# Altium PCB UmTRXv21.PcbDoc (part 12 of 19) (continued)
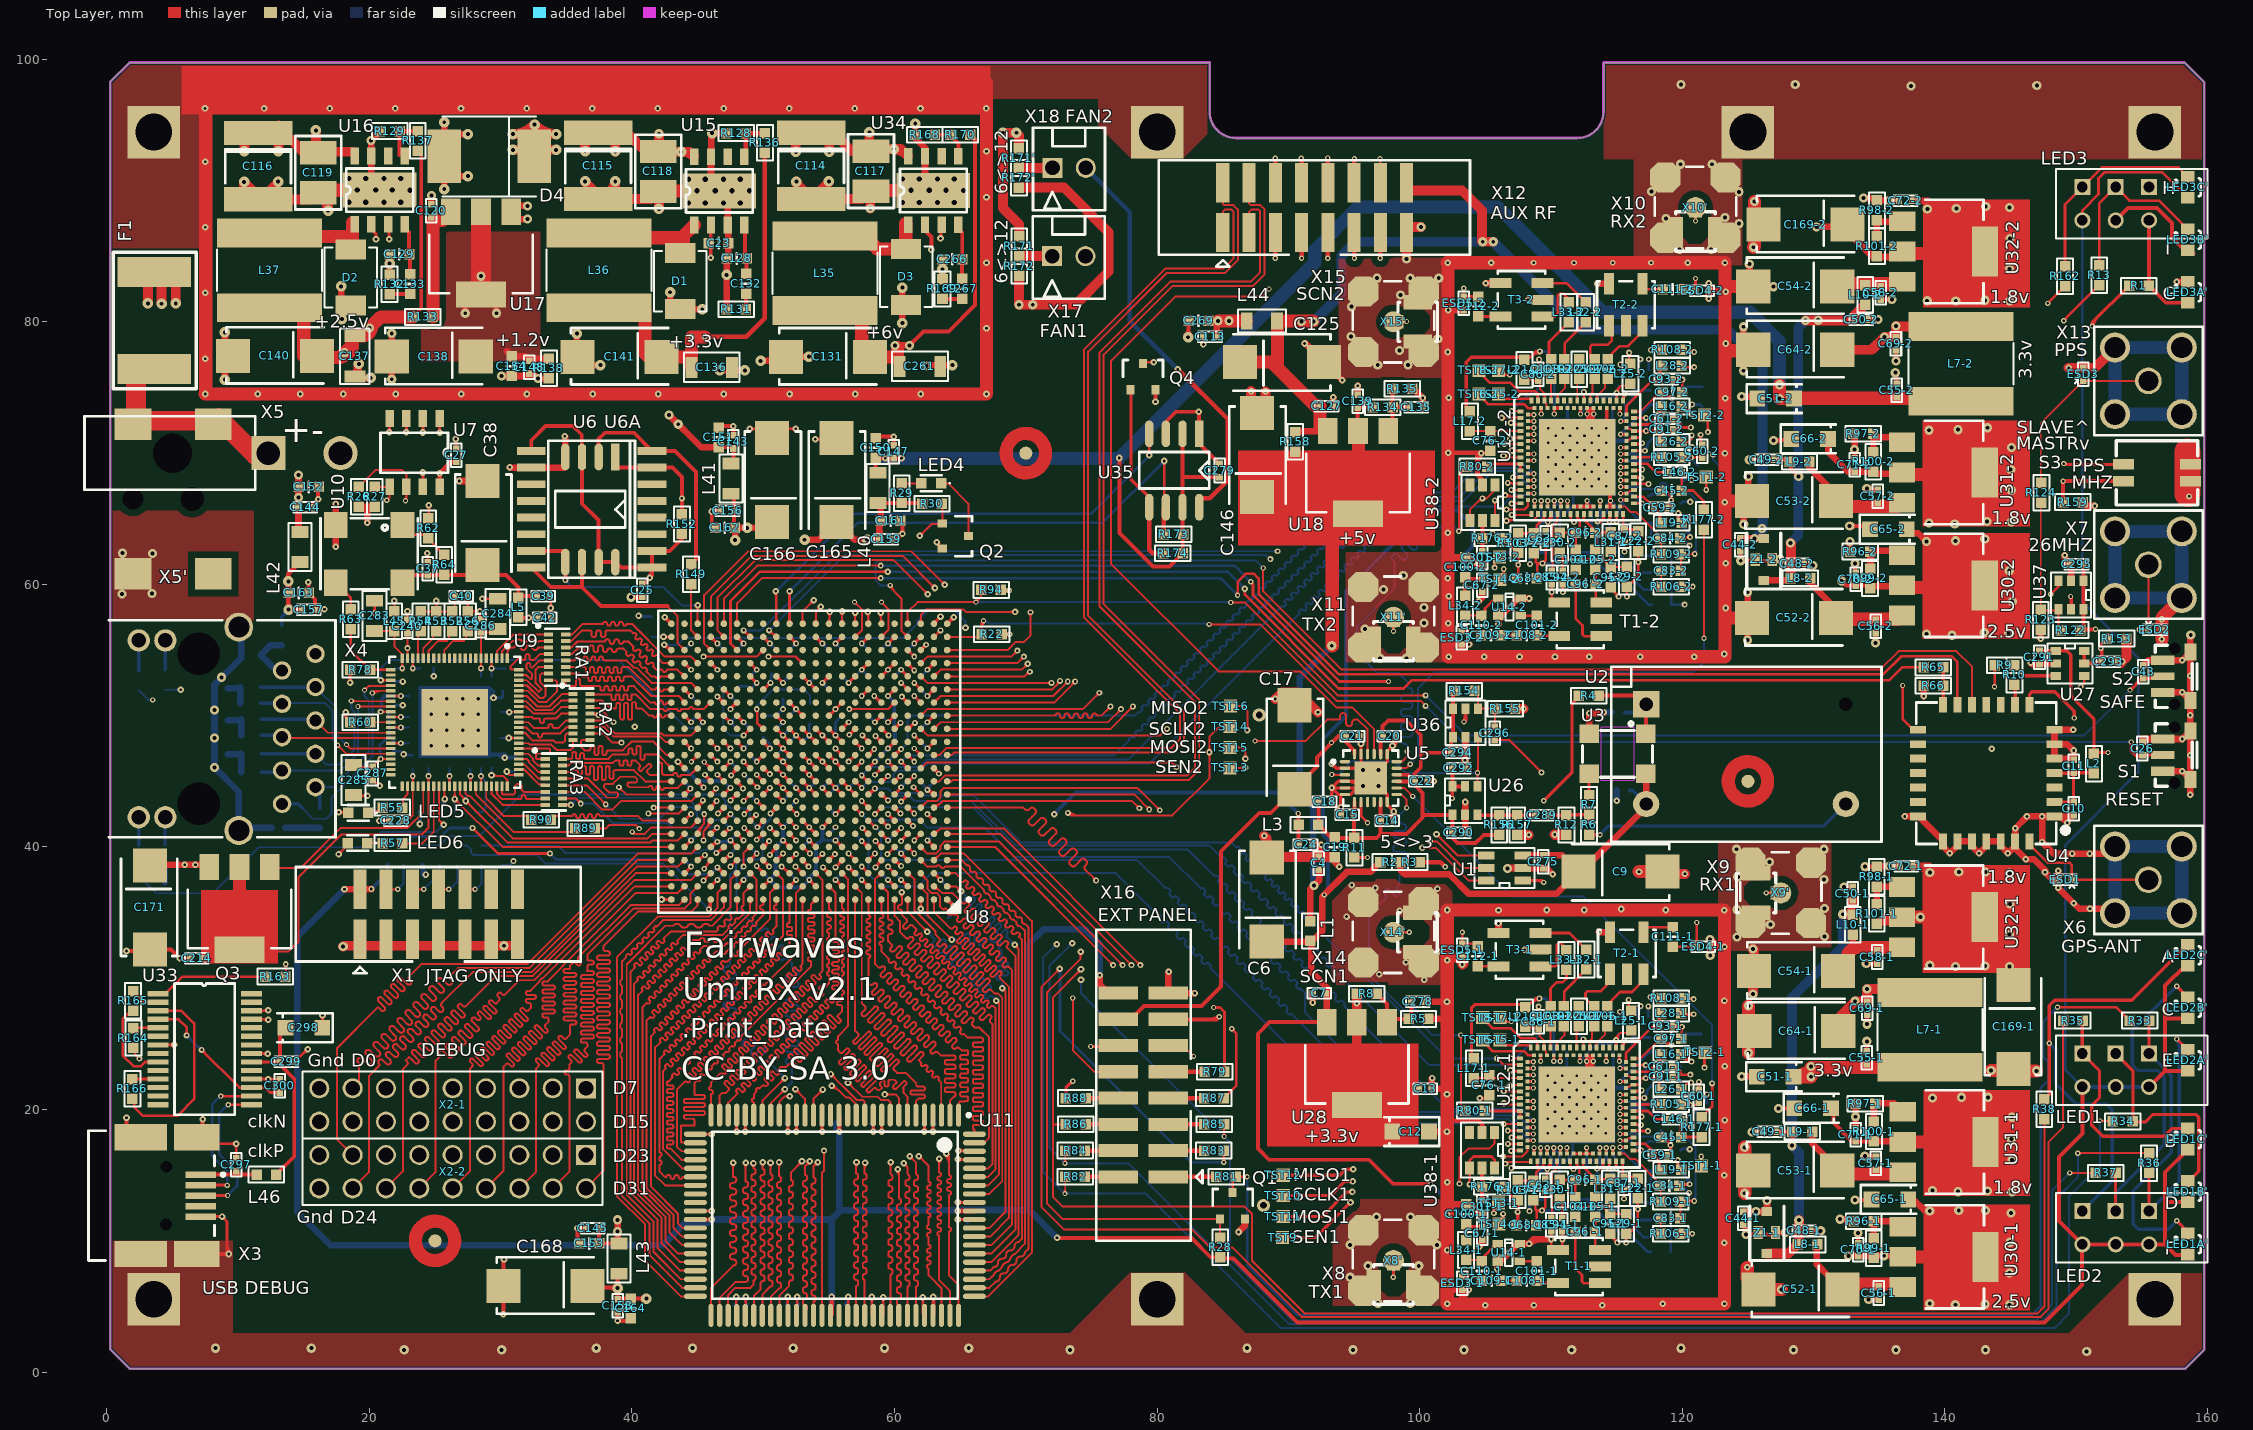
[diagram p0: Top Layer view]
## Nets (pads, with @x,y where several pads share a name; then routed paths per layer and width w, separated by ;. In a path a pad name is that pad's centre, name@x,y a point inside that pad or via, vN(x,y) a via of type N, cw(c..) or ccw(c..) an arc to the next point about the centre after c; other vN are vias at no path point) (continued)
RAM_BWN0: U8.C4 U11.93 | length 41
  Top Layer w0.15: U8.C4@61,37.825 cw(c61,37.282) 61.384,37.666 ; U8.C4@61,38 61.05,38 61.5,37.55 61.5,35.199 63.1,33.599 63.1,33.35 63.394,33.056 cw(c63.27,32.932) 63.394,32.809 63.298,32.713 ccw(c63.422,32.589) 63.298,32.466 ccw(c63.422,32.589) 63.546,32.466 63.641,32.561 cw(c63.765,32.438) 63.889,32.561 cw(c63.765,32.438) 63.889,32.314 63.793,32.218 ccw(c63.917,32.094) 63.793,31.971 ccw(c63.917,32.094) 64.041,31.971 64.479,32.409 cw(c64.603,32.286) 64.727,32.409 cw(c64.603,32.286) 64.727,32.162 64.507,31.943 64.29,31.725 ccw(c64.414,31.602) 64.29,31.478 ccw(c64.414,31.602) 64.538,31.478 64.755,31.695 64.974,31.914 cw(c65.098,31.791) 65.222,31.914 cw(c65.098,31.791) 65.222,31.667 65.002,31.448 64.788,31.233 ccw(c64.912,31.109) 64.788,30.985 ccw(c64.912,31.109) 65.035,30.985 65.25,31.2 65.469,31.419 cw(c65.593,31.296) 65.717,31.419 cw(c65.593,31.296) 65.717,31.172 65.278,30.733 ccw(c65.402,30.609) 65.278,30.486 ccw(c65.402,30.609) 65.526,30.486 65.964,30.924 cw(c66.088,30.801) 66.212,30.924 cw(c66.088,30.801) 66.212,30.677 65.773,30.238 ccw(c65.897,30.115) 65.773,29.991 ccw(c65.897,30.115) 66.02,29.991 66.24,30.21 66.459,30.43 cw(c66.583,30.306) 66.707,30.43 cw(c66.583,30.306) 66.707,30.182 66.268,29.743 ccw(c66.392,29.62) 66.268,29.496 ccw(c66.392,29.62) 66.515,29.496 66.954,29.935 cw(c67.078,29.811) 67.202,29.935 cw(c67.078,29.811) 67.202,29.687 66.763,29.248 ccw(c66.887,29.125) 66.763,29.001 ; U8.C4@61.175,38 ccw(c61.477,38) 61.263,37.787 ; U11.93@66.075,13.575 67.225,13.575 68.2,14.55 68.2,28.499 67.85,28.849 67.601,28.849 67.354,29.096 ccw(c67.23,28.973) 67.106,29.096 67.01,29.001 cw(c66.887,29.125) 66.763,29.001
RAM_BWN1: U8.A4 U11.94 | length 43.3
  Top Layer w0.15: U8.A4@60.876,35.876 cw(c60.578,35.578) 61,35.578 cw(c61.422,35.578) U8.A4@61.124,35.876 ; U8.A4@61,36 61,35.05 v2(62.5,33.55) ; v2@62.325,33.55 ccw(c61.903,33.55) 62.201,33.849 ccw(c62.5,34.147) v2@62.5,33.725 ; U11.94@66.075,14.225 67.125,14.225 67.95,15.05 67.95,28.1 ; v2(67.75,28.3) 67.95,28.1 ; v2@67.806,28.134 cw(c67.85,28) 67.95,28.1 ; v2@67.916,28.244 ccw(c68.05,28.2) 67.95,28.1
  Bottom Layer w0.15: v2@62.5,33.375 cw(c62.5,32.953) 62.799,33.251 cw(c63.097,33.55) v2@62.675,33.55 ; v2(62.5,33.55) 62.995,33.055 cw(c62.871,32.931) 62.995,32.807 62.89,32.702 ccw(c63.014,32.578) 62.89,32.455 ccw(c63.014,32.578) 63.138,32.455 63.595,32.912 cw(c63.719,32.789) 63.843,32.912 cw(c63.719,32.789) 63.843,32.665 63.385,32.207 ccw(c63.509,32.083) 63.385,31.96 ccw(c63.509,32.083) 63.632,31.96 63.861,32.189 64.09,32.418 cw(c64.214,32.294) 64.338,32.418 cw(c64.214,32.294) 64.338,32.17 63.88,31.712 ccw(c64.004,31.588) 63.88,31.465 ccw(c64.004,31.588) 64.127,31.465 64.585,31.923 cw(c64.709,31.799) 64.833,31.923 cw(c64.709,31.799) 64.833,31.675 64.375,31.217 ccw(c64.499,31.093) 64.375,30.97 ccw(c64.499,31.093) 64.622,30.97 65.08,31.428 cw(c65.204,31.304) 65.328,31.428 cw(c65.204,31.304) 65.328,31.18 65.099,30.951 64.87,30.722 ccw(c64.994,30.598) 64.87,30.475 ccw(c64.994,30.598) 65.117,30.475 65.575,30.933 cw(c65.699,30.809) 65.823,30.933 cw(c65.699,30.809) 65.823,30.685 65.365,30.227 ccw(c65.489,30.103) 65.365,29.98 ccw(c65.489,30.103) 65.612,29.98 66.07,30.438 cw(c66.194,30.314) 66.318,30.438 cw(c66.194,30.314) 66.318,30.19 66.089,29.961 65.86,29.732 ccw(c65.984,29.608) 65.86,29.485 ccw(c65.984,29.608) 66.107,29.485 66.565,29.943 cw(c66.689,29.819) 66.813,29.943 cw(c66.689,29.819) 66.813,29.695 66.355,29.237 ccw(c66.479,29.114) 66.355,28.99 ccw(c66.479,29.114) 66.602,28.99 67.06,29.448 cw(c67.184,29.324) 67.308,29.448 cw(c67.184,29.324) 67.308,29.2 66.85,28.742 ccw(c66.974,28.619) 66.85,28.495 ccw(c66.974,28.619) 67.097,28.495 67.203,28.6 cw(c67.326,28.476) 67.45,28.6 v2(67.75,28.3) ; v2@67.575,28.3 ccw(c67.153,28.3) 67.451,28.599 ccw(c67.75,28.897) v2@67.75,28.475
RAM_BWN2: U8.D5 U11.95 | length 43.7
  Top Layer w0.15: U8.D5@59.988,38.825 cw(c59.955,38.347) v1@60.371,38.587 ; U8.D5@59.998,38.975 cw(c59.978,38.685) 60.23,38.831 ; U8.D5@60,38.825 cw(c60,38.282) v1@60.384,38.666 ; U8.D5@60,39 60.05,39 v1(60.5,38.55) ; U8.D5@60.055,38.834 cw(c60.114,38.655) 60.277,38.749 ; U8.D5@60.17,39.043 ccw(c60.705,39.178) v1@60.429,38.699 ; U8.D5@60.174,38.979 ccw(c60.361,38.957) 60.267,38.793 ; U8.D5@60.175,39 ccw(c60.477,39) 60.263,38.787 ; v1@60.35,38.55 ccw(c59.988,38.55) 60.244,38.806 ccw(c60.5,39.062) v1@60.5,38.7 ; v2@60.426,36.426 cw(c60.128,36.128) 60.55,36.128 cw(c60.972,36.128) v2@60.674,36.426 ; v2(60.55,36.55) 60.5,36.5 60.55,36.45 60.55,35.7 cw(c60.425,35.7) 60.425,35.575 ccw(c60.425,35.4) 60.25,35.4 ccw(c60.425,35.4) 60.425,35.225 cw(c60.425,35.1) 60.55,35.1 60.55,34.85 60.897,34.503 cw(c60.774,34.379) 60.897,34.255 60.701,34.059 ccw(c60.825,33.935) 60.701,33.811 ccw(c60.825,33.935) 60.949,33.811 61.145,34.008 cw(c61.269,33.884) 61.392,34.008 61.61,33.79 cw(c61.504,33.684) 61.61,33.578 61.554,33.521 ccw(c61.66,33.415) 61.554,33.309 ccw(c61.66,33.415) 61.766,33.309 61.822,33.365 cw(c61.929,33.259) 62.035,33.365 cw(c61.929,33.259) 62.035,33.153 61.969,33.088 ccw(c62.075,32.982) 61.969,32.876 ccw(c62.075,32.982) 62.181,32.876 62.247,32.941 cw(c62.353,32.835) 62.459,32.941 cw(c62.353,32.835) 62.459,32.729 62.371,32.642 ccw(c62.477,32.535) 62.371,32.429 ccw(c62.477,32.535) 62.583,32.429 62.671,32.517 cw(c62.777,32.411) 62.883,32.517 cw(c62.777,32.411) 62.883,32.305 62.757,32.179 ccw(c62.863,32.073) 62.757,31.967 ccw(c62.863,32.073) 62.97,31.967 63.095,32.093 cw(c63.201,31.987) 63.307,32.093 cw(c63.201,31.987) 63.307,31.88 63.201,31.774 ccw(c63.307,31.668) 63.201,31.562 ccw(c63.307,31.668) 63.413,31.562 63.519,31.668 cw(c63.626,31.562) 63.732,31.668 cw(c63.626,31.562) 63.732,31.456 63.656,31.38 ccw(c63.762,31.274) 63.656,31.168 ccw(c63.762,31.274) 63.868,31.168 63.944,31.244 cw(c64.05,31.138) 64.156,31.244 cw(c64.05,31.138) 64.156,31.032 64.096,30.972 ccw(c64.202,30.866) 64.096,30.76 ccw(c64.202,30.866) 64.308,30.76 64.368,30.82 cw(c64.474,30.714) 64.58,30.82 cw(c64.474,30.714) 64.58,30.608 64.524,30.551 ccw(c64.63,30.445) 64.524,30.339 ccw(c64.63,30.445) 64.736,30.339 64.792,30.396 cw(c64.898,30.29) 65.004,30.396 cw(c64.898,30.29) 65.004,30.183 64.939,30.118 ccw(c65.045,30.012) 64.939,29.906 ccw(c65.045,30.012) 65.151,29.906 65.217,29.971 cw(c65.323,29.865) 65.429,29.971 cw(c65.323,29.865) 65.429,29.759 65.341,29.672 ccw(c65.447,29.566) 65.341,29.46 ccw(c65.447,29.566) 65.553,29.46 65.641,29.547 cw(c65.747,29.441) 65.853,29.547 cw(c65.747,29.441) 65.853,29.335 65.727,29.209 ccw(c65.833,29.103) 65.727,28.997 ccw(c65.833,29.103) 65.939,28.997 66.065,29.123 cw(c66.171,29.017) 66.277,29.123 cw(c66.171,29.017) 66.277,28.911 66.17,28.804 ccw(c66.276,28.698) 66.17,28.592 ccw(c66.276,28.698) 66.383,28.592 66.489,28.699 cw(c66.595,28.592) 66.701,28.699 cw(c66.595,28.592) 66.701,28.486 66.625,28.41 ccw(c66.731,28.304) 66.625,28.198 ccw(c66.731,28.304) 66.838,28.198 66.914,28.274 cw(c67.02,28.168) 67.126,28.274 cw(c67.02,28.168) 67.126,28.062 67.066,28.002 ccw(c67.172,27.896) 67.066,27.79 ccw(c67.172,27.896) 67.278,27.79 67.338,27.85 cw(c67.444,27.744) 67.55,27.85 67.7,27.7 67.7,15.45 67.125,14.875 U11.95@66.075,14.875 ; U8.D5@60.045,38.831 cw(c60.114,38.575) 60.247,38.804 ccw(c60.114,38.575) U8.D5@60.045,38.831
  Mid-Layer 2 w0.15: v1@60.35,38.55 cw(c59.988,38.55) 60.244,38.294 cw(c60.5,38.038) v1@60.5,38.4 ; v2@60.375,36.55 ccw(c59.953,36.55) 60.251,36.849 ccw(c60.55,37.147) v2@60.55,36.725 ; v1(60.5,38.55) 60,38.05 60,37.1 v2(60.55,36.55)
RAM_BWN3: U8.A5 U11.96 | length 41
  Top Layer w0.15: U8.A5@59.876,35.876 cw(c59.578,35.578) 60,35.578 cw(c60.422,35.578) U8.A5@60.124,35.876 ; U8.A5@60,36 60,34.75 60.4,34.35 60.4,33.55 60.865,33.085 ccw(c60.989,33.208) 61.113,33.085 61.141,33.112 cw(c61.264,32.989) 61.388,33.112 cw(c61.264,32.989) 61.388,32.865 61.237,32.713 61.085,32.562 ccw(c61.209,32.438) 61.085,32.314 ccw(c61.209,32.438) 61.333,32.314 61.484,32.466 61.636,32.617 cw(c61.759,32.494) 61.883,32.617 cw(c61.759,32.494) 61.883,32.37 61.732,32.218 61.58,32.067 ccw(c61.704,31.943) 61.58,31.82 ccw(c61.704,31.943) 61.828,31.82 62.13,32.122 cw(c62.254,31.999) 62.378,32.122 cw(c62.254,31.999) 62.378,31.875 62.075,31.572 ccw(c62.199,31.448) 62.075,31.325 ccw(c62.199,31.448) 62.323,31.325 62.474,31.476 62.625,31.627 cw(c62.749,31.504) 62.873,31.627 cw(c62.749,31.504) 62.873,31.38 62.721,31.229 62.57,31.077 ccw(c62.694,30.953) 62.57,30.83 ccw(c62.694,30.953) 62.818,30.83 62.969,30.981 63.12,31.132 cw(c63.244,31.009) 63.368,31.132 cw(c63.244,31.009) 63.368,30.885 63.065,30.582 ccw(c63.189,30.458) 63.065,30.335 ccw(c63.189,30.458) 63.312,30.335 63.464,30.486 63.615,30.638 cw(c63.739,30.514) 63.863,30.638 cw(c63.739,30.514) 63.863,30.39 63.711,30.239 63.56,30.087 ccw(c63.684,29.963) 63.56,29.84 ccw(c63.684,29.963) 63.807,29.84 63.959,29.991 64.11,30.143 cw(c64.234,30.019) 64.358,30.143 ; 64.358,30.143 cw(c64.234,30.019) 64.358,29.895 64.055,29.592 ccw(c64.179,29.468) 64.055,29.345 ccw(c64.179,29.468) 64.302,29.345 64.605,29.648 cw(c64.729,29.524) 64.853,29.648 cw(c64.729,29.524) 64.853,29.4 64.701,29.249 64.55,29.097 ccw(c64.674,28.973) 64.55,28.85 ccw(c64.674,28.973) 64.797,28.85 64.949,29.001 65.1,29.153 cw(c65.224,29.029) 65.348,29.153 cw(c65.224,29.029) 65.348,28.905 65.196,28.754 65.045,28.602 ccw(c65.169,28.478) 65.045,28.355 ccw(c65.169,28.478) 65.292,28.355 65.595,28.658 cw(c65.719,28.534) 65.843,28.658 cw(c65.719,28.534) 65.843,28.41 65.691,28.259 65.54,28.107 ccw(c65.664,27.983) 65.54,27.86 ccw(c65.664,27.983) 65.787,27.86 65.939,28.011 66.09,28.163 cw(c66.214,28.039) 66.338,28.163 cw(c66.214,28.039) 66.338,27.915 66.186,27.764 66.035,27.612 ccw(c66.159,27.488) 66.035,27.365 ccw(c66.159,27.488) 66.282,27.365 66.585,27.668 cw(c66.709,27.544) 66.833,27.668 cw(c66.709,27.544) 66.833,27.42 66.53,27.117 ccw(c66.654,26.994) 66.53,26.87 ccw(c66.654,26.994) 66.777,26.87 66.929,27.021 67.08,27.173 cw(c67.204,27.049) 67.328,27.173 cw(c67.204,27.049) 67.328,26.925 67.3,26.897 ccw(c67.424,26.774) 67.3,26.65 67.45,26.5 67.45,15.85 67.125,15.525 U11.96@66.075,15.525
RAM_CENN: U8.C3 U11.87 | length 41.3
  Top Layer w0.15: U8.C3@61.975,37.975 62.5,37.45 62.5,36.804 62.75,36.554 62.75,36.55 62.8,36.5 63.196,36.5 63.45,36.246 63.45,35.5 63.678,35.272 ccw(c63.731,35.325) 63.784,35.272 63.819,35.307 cw(c63.872,35.254) 63.926,35.307 64.032,35.201 cw(c63.979,35.148) 64.032,35.095 63.996,35.06 ccw(c64.049,35.007) 63.996,34.954 64.1,34.85 64.7,34.85 64.801,34.749 cw(c64.712,34.661) 64.801,34.573 ccw(c64.924,34.449) 64.801,34.325 ccw(c64.924,34.449) 65.048,34.325 65.136,34.414 65.225,34.502 cw(c65.349,34.378) 65.472,34.502 cw(c65.349,34.378) 65.472,34.254 65.384,34.166 65.296,34.078 ccw(c65.419,33.954) 65.296,33.83 ccw(c65.419,33.954) 65.543,33.83 65.631,33.919 65.72,34.007 cw(c65.844,33.883) 65.967,34.007 cw(c65.844,33.883) 65.967,33.759 65.879,33.671 65.791,33.583 ccw(c65.914,33.459) 65.791,33.335 ccw(c65.914,33.459) 66.038,33.335 66.126,33.424 66.215,33.512 cw(c66.339,33.388) 66.462,33.512 cw(c66.339,33.388) 66.462,33.265 66.374,33.176 66.285,33.088 ccw(c66.409,32.964) 66.285,32.84 ccw(c66.409,32.964) 66.533,32.84 66.621,32.929 66.71,33.017 cw(c66.833,32.893) 66.957,33.017 cw(c66.833,32.893) 66.957,32.77 66.78,32.593 ccw(c66.904,32.469) 66.78,32.345 ccw(c66.904,32.469) 67.028,32.345 67.116,32.434 67.205,32.522 cw(c67.328,32.398) 67.452,32.522 cw(c67.328,32.398) 67.452,32.275 67.364,32.186 67.275,32.098 ccw(c67.399,31.974) 67.275,31.85 ccw(c67.399,31.974) 67.523,31.85 67.611,31.939 67.7,32.027 cw(c67.823,31.903) 67.947,32.027 cw(c67.823,31.903) 67.947,31.78 67.859,31.691 67.77,31.603 ccw(c67.894,31.479) 67.77,31.355 ccw(c67.894,31.479) 68.018,31.355 68.106,31.444 68.195,31.532 cw(c68.318,31.408) 68.442,31.532 cw(c68.318,31.408) 68.442,31.285 68.354,31.196 68.265,31.108 ccw(c68.389,30.984) 68.265,30.86 ccw(c68.389,30.984) 68.513,30.86 cw(c68.601,30.772) 68.69,30.86 68.95,30.6 68.95,11.25 67.375,9.675 U11.87@66.075,9.675 ; U8.C3@62,37.825 cw(c62,37.523) 62.213,37.737 ; U8.C3@62.175,38 ccw(c62.718,38) 62.334,37.616
RAM_CLK: U8.B3 U11.89 | length 42.8
  Top Layer w0.15: U8.B3@61.975,36.975 62.5,36.45 62.5,34.8 v2(64.35,32.95) ; v2@64.175,32.95 ccw(c63.753,32.95) 64.051,33.249 ccw(c64.35,33.547) v2@64.35,33.125 ; U11.89@66.075,10.975 67.225,10.975 68.45,12.2 68.45,29 ; v2(68.2,29.25) 68.45,29 ; v2@68.223,29.077 cw(c68.259,28.809) 68.45,29 ; v2@68.373,29.227 ccw(c68.641,29.191) 68.45,29
  Bottom Layer w0.15: v2(64.35,32.95) 65,32.95 cw(c65,32.925) 65.025,32.925 65.025,32.658 ccw(c65.2,32.658) 65.2,32.483 ccw(c65.2,32.658) 65.375,32.658 65.375,33.242 cw(c65.55,33.242) 65.55,33.417 cw(c65.55,33.242) 65.725,33.242 65.725,32.658 ccw(c65.9,32.658) 65.9,32.483 ccw(c65.9,32.658) 66.075,32.658 66.075,33.242 cw(c66.25,33.242) 66.25,33.417 cw(c66.25,33.242) 66.425,33.242 66.425,32.658 ccw(c66.6,32.658) 66.6,32.483 ccw(c66.6,32.658) 66.775,32.658 66.775,32.775 cw(c66.95,32.775) 66.95,32.95 67.3,32.95 67.458,32.792 ccw(c67.581,32.916) 67.705,32.792 67.788,32.875 cw(c67.911,32.751) 68.035,32.875 cw(c67.911,32.751) 68.035,32.628 67.953,32.545 ccw(c68.076,32.421) 67.953,32.297 68.2,32.05 68.2,31.8 cw(c68.025,31.8) 68.025,31.625 67.908,31.625 ccw(c67.908,31.45) 67.733,31.45 ccw(c67.908,31.45) 67.908,31.275 68.492,31.275 cw(c68.492,31.1) 68.667,31.1 cw(c68.492,31.1) 68.492,30.925 67.908,30.925 ccw(c67.908,30.75) 67.733,30.75 ccw(c67.908,30.75) 67.908,30.575 68.492,30.575 cw(c68.492,30.4) 68.667,30.4 cw(c68.492,30.4) 68.492,30.225 67.908,30.225 ccw(c67.908,30.05) 67.733,30.05 ccw(c67.908,30.05) 67.908,29.875 68.025,29.875 cw(c68.025,29.7) 68.2,29.7 v2(68.2,29.25) ; v2@64.474,32.826 cw(c64.772,32.528) 64.772,32.95 cw(c64.772,33.372) v2@64.474,33.074 ; v2@68.076,29.374 ccw(c67.778,29.672) 68.2,29.672 ccw(c68.622,29.672) v2@68.324,29.374
RAM_D00: U8.E12 U11.63 | length 43.5
  Top Layer w0.15: U8.E12@53,39.825 cw(c53,39.282) 53.384,39.666 ; U8.E12@53,40 53.05,40 v1(53.55,39.5) v1@53.55,39.55 ; U8.E12@53.175,40 ccw(c53.477,40) 53.263,39.787 ; v1@53.4,39.5 ccw(c53.038,39.5) 53.294,39.756 ccw(c53.55,40.012) v1@53.55,39.65 ; U11.63@53.825,4.325 53.825,5.375 ccw(c53.825,5.525) 53.975,5.525 53.975,5.675 ccw(c53.825,5.675) 53.825,5.825 cw(c53.825,5.975) 53.675,5.975 53.675,6.125 cw(c53.825,6.125) 53.825,6.275 ccw(c53.825,6.425) 53.975,6.425 53.975,6.575 ccw(c53.825,6.575) 53.825,6.725 cw(c53.825,6.875) 53.675,6.875 53.675,7.025 cw(c53.825,7.025) 53.825,7.175 ccw(c53.825,7.325) 53.975,7.325 53.975,7.475 ccw(c53.825,7.475) 53.825,7.625 cw(c53.825,7.775) 53.675,7.775 53.675,7.925 cw(c53.825,7.925) 53.825,8.075 ccw(c53.825,8.225) 53.975,8.225 53.975,8.375 ccw(c53.825,8.375) 53.825,8.525 cw(c53.825,8.675) 53.675,8.675 53.675,8.825 cw(c53.825,8.825) 53.825,8.975 ccw(c53.825,9.125) 53.975,9.125 53.975,9.275 ccw(c53.825,9.275) 53.825,9.425 cw(c53.825,9.575) 53.675,9.575 53.675,9.725 cw(c53.825,9.725) 53.825,9.875 ccw(c53.825,10.025) 53.975,10.025 53.975,10.175 ccw(c53.825,10.175) 53.825,10.325 cw(c53.825,10.475) 53.675,10.475 53.675,10.625 cw(c53.825,10.625) 53.825,10.775 ccw(c53.825,10.925) 53.975,10.925 53.975,11.075 ccw(c53.825,11.075) 53.825,11.225 cw(c53.825,11.375) 53.675,11.375 53.675,11.525 cw(c53.825,11.525) 53.825,11.675 ccw(c53.825,11.825) 53.975,11.825 53.975,11.975 ccw(c53.825,11.975) 53.825,12.125 cw(c53.825,12.275) 53.675,12.275 53.675,12.425 cw(c53.825,12.425) 53.825,12.575 ccw(c53.825,12.725) 53.975,12.725 53.975,12.875 ccw(c53.825,12.875) 53.825,13.025 cw(c53.825,13.175) 53.675,13.175 53.675,13.325 cw(c53.825,13.325) 53.825,13.475 ccw(c53.825,13.625) 53.975,13.625 53.975,13.775 ccw(c53.825,13.775) 53.825,13.925 cw(c53.825,14.075) 53.675,14.075 53.675,14.225 cw(c53.825,14.225) 53.825,14.375 ccw(c53.825,14.525) 53.975,14.525 53.975,14.675 ccw(c53.825,14.675) 53.825,14.825 53.825,15.675 v2(54.15,16) ; v2@53.975,16 cw(c53.553,16) 53.851,15.701 cw(c54.15,15.403) v2@54.15,15.825
  MidLayer1 w0.15: v1@53.55,39.35 cw(c53.55,38.988) 53.806,39.244 cw(c54.062,39.5) v1@53.7,39.5 ; v1(53.55,39.5) 54.175,38.875 54.175,38.676 54.125,38.626 54.125,38.274 54.175,38.224 54.175,37.22 54.05,37.095 54.05,16.1 v2(54.15,16) ; 54.05,16.302 ccw(c54.452,16.302) v2@54.168,16.018 ; 54.05,16.664 ccw(c54.814,16.664) v2@54.274,16.124
RAM_D01: U8.D12 U11.62 | length 45.6
  Top Layer w0.15: U8.D12@52.957,38.83 cw(c52.822,38.295) v1@53.301,38.571 ; U8.D12@53,38.825 cw(c53,38.523) 53.213,38.737 ; U8.D12@53,39 53,38.95 v1(53.45,38.5) v1@53.5,38.5 ; U8.D12@53.021,38.826 cw(c53.043,38.639) 53.207,38.733 ; U8.D12@53.025,39.002 ccw(c53.315,39.022) 53.169,38.77 ; U8.D12@53.166,38.945 ccw(c53.345,38.886) 53.251,38.723 ; U11.62@53.175,4.325 53.175,4.675 ccw(c53.175,4.825) 53.325,4.825 53.325,4.975 ccw(c53.175,4.975) 53.175,5.125 cw(c53.175,5.275) 53.025,5.275 53.025,5.425 cw(c53.175,5.425) 53.175,5.575 ccw(c53.175,5.725) 53.325,5.725 53.325,5.875 ccw(c53.175,5.875) 53.175,6.025 cw(c53.175,6.175) 53.025,6.175 53.025,6.325 cw(c53.175,6.325) 53.175,6.475 ccw(c53.175,6.625) 53.325,6.625 53.325,6.775 ccw(c53.175,6.775) 53.175,6.925 cw(c53.175,7.075) 53.025,7.075 53.025,7.225 cw(c53.175,7.225) 53.175,7.375 ccw(c53.175,7.525) 53.325,7.525 53.325,7.675 ccw(c53.175,7.675) 53.175,7.825 cw(c53.175,7.975) 53.025,7.975 53.025,8.125 cw(c53.175,8.125) 53.175,8.275 ccw(c53.175,8.425) 53.325,8.425 53.325,8.575 ccw(c53.175,8.575) 53.175,8.725 cw(c53.175,8.875) 53.025,8.875 53.025,9.025 cw(c53.175,9.025) 53.175,9.175 ccw(c53.175,9.325) 53.325,9.325 53.325,9.475 ccw(c53.175,9.475) 53.175,9.625 cw(c53.175,9.775) 53.025,9.775 53.025,9.925 cw(c53.175,9.925) 53.175,10.075 ccw(c53.175,10.225) 53.325,10.225 53.325,10.375 ccw(c53.175,10.375) 53.175,10.525 cw(c53.175,10.675) 53.025,10.675 53.025,10.825 cw(c53.175,10.825) 53.175,10.975 ccw(c53.175,11.125) 53.325,11.125 53.325,11.275 ccw(c53.175,11.275) 53.175,11.425 cw(c53.175,11.575) 53.025,11.575 53.025,11.725 cw(c53.175,11.725) 53.175,11.875 ccw(c53.175,12.025) 53.325,12.025 53.325,12.175 ccw(c53.175,12.175) 53.175,12.325 cw(c53.175,12.475) 53.025,12.475 53.025,12.625 cw(c53.175,12.625) 53.175,12.775 ccw(c53.175,12.925) 53.325,12.925 53.325,13.075 ccw(c53.175,13.075) 53.175,13.225 cw(c53.175,13.375) 53.025,13.375 53.025,13.525 cw(c53.175,13.525) 53.175,13.675 ccw(c53.175,13.825) 53.325,13.825 53.325,13.975 ccw(c53.175,13.975) 53.175,14.125 cw(c53.175,14.275) 53.025,14.275 53.025,14.425 cw(c53.175,14.425) 53.175,14.575 ccw(c53.175,14.725) 53.325,14.725 53.325,14.875 ccw(c53.175,14.875) 53.175,15.025 53.175,15.674 53.375,15.874 53.375,15.925 53.5,16.05 v2(53.55,16.05) ; U8.D12@53.175,39 ccw(c53.718,39) v1@53.334,38.616 ; U8.D12@53.175,39.012 ccw(c53.653,39.045) v1@53.413,38.629 ; 53.251,15.749 ccw(c52.95,16.05) v2@53.375,16.05 ; 53.253,15.752 cw(c53.55,15.455) v2@53.55,15.875 ; v1@53.3,38.5 ccw(c52.938,38.5) 53.194,38.756 ccw(c53.45,39.012) v1@53.45,38.65 ; U8.D12@53.169,38.955 ccw(c53.425,38.886) 53.196,38.753 cw(c53.425,38.886) U8.D12@53.169,38.955
  MidLayer1 w0.15: v2@53.426,16.174 ccw(c53.128,16.472) 53.55,16.472 ccw(c53.973,16.472) v2@53.674,16.174 ; v1@53.45,38.35 cw(c53.45,37.988) 53.706,38.244 cw(c53.962,38.5) v1@53.6,38.5 ; v1(53.45,38.5) 53.925,38.025 53.925,37.324 53.55,36.949 53.55,19.425 cw(c53.55,19.275) 53.7,19.275 53.7,19.125 cw(c53.55,19.125) 53.55,18.975 ccw(c53.55,18.825) 53.4,18.825 53.4,18.675 ccw(c53.55,18.675) 53.55,18.525 cw(c53.55,18.375) 53.7,18.375 53.7,18.225 cw(c53.55,18.225) 53.55,18.075 ccw(c53.55,17.925) 53.4,17.925 53.4,17.775 ccw(c53.55,17.775) 53.55,17.625 cw(c53.55,17.475) 53.7,17.475 53.7,17.325 cw(c53.55,17.325) 53.55,17.175 ccw(c53.55,17.025) 53.4,17.025 53.4,16.875 ccw(c53.55,16.875) 53.55,16.725 v2(53.55,16.05)
RAM_D02: U8.D13 U11.59 | length 43.6
  Top Layer w0.15: U11.59@51.225,4.325 51.225,5.825 51.95,6.55 51.95,6.825 cw(c52.1,6.825) 52.1,6.975 ccw(c52.1,7.125) 52.25,7.125 52.25,7.275 ccw(c52.1,7.275) 52.1,7.425 cw(c52.1,7.575) 51.95,7.575 51.95,7.725 cw(c52.1,7.725) 52.1,7.875 ccw(c52.1,8.025) 52.25,8.025 52.25,8.175 ccw(c52.1,8.175) 52.1,8.325 cw(c52.1,8.475) 51.95,8.475 51.95,8.625 cw(c52.1,8.625) 52.1,8.775 ccw(c52.1,8.925) 52.25,8.925 52.25,9.075 ccw(c52.1,9.075) 52.1,9.225 cw(c52.1,9.375) 51.95,9.375 51.95,9.525 cw(c52.1,9.525) 52.1,9.675 ccw(c52.1,9.825) 52.25,9.825 52.25,9.975 ccw(c52.1,9.975) 52.1,10.125 cw(c52.1,10.275) 51.95,10.275 51.95,10.425 cw(c52.1,10.425) 52.1,10.575 ccw(c52.1,10.725) 52.25,10.725 52.25,10.875 ccw(c52.1,10.875) 52.1,11.025 cw(c52.1,11.175) 51.95,11.175 51.95,11.325 cw(c52.1,11.325) 52.1,11.475 ccw(c52.1,11.625) 52.25,11.625 52.25,11.775 ccw(c52.1,11.775) 52.1,11.925 cw(c52.1,12.075) 51.95,12.075 51.95,12.225 cw(c52.1,12.225) 52.1,12.375 ccw(c52.1,12.525) 52.25,12.525 52.25,12.675 ccw(c52.1,12.675) 52.1,12.825 cw(c52.1,12.975) 51.95,12.975 51.95,13.125 cw(c52.1,13.125) 52.1,13.275 ccw(c52.1,13.425) 52.25,13.425 52.25,13.575 ccw(c52.1,13.575) 52.1,13.725 cw(c52.1,13.875) 51.95,13.875 51.95,14.025 cw(c52.1,14.025) 52.1,14.175 ccw(c52.1,14.325) 52.25,14.325 52.25,14.475 ccw(c52.1,14.475) 52.1,14.625 52.1,15.2 v2(52.95,16.05) ; U8.D13@52,39 52.45,39.45 v1(52.5,39.45) v1@52.351,39.301 ; U8.D13@52,39.175 ccw(c52,39.597) 52.299,39.299 ccw(c52.597,39) U8.D13@52.175,39 ; U8.D13@52.045,39.169 ccw(c52.103,39.386) 52.216,39.191 ; U8.D13@52.159,39.159 cw(c52.5,38.817) v1@52.5,39.3 ; U8.D13@52.172,38.97 cw(c52.643,38.886) v1@52.404,39.3 ; 52.279,39.279 ccw(c52.109,39.45) v1@52.35,39.45 ; v2@52.775,16.05 cw(c52.353,16.05) 52.651,15.751 cw(c52.95,15.453) v2@52.95,15.875
  MidLayer1 w0.15: v1@52.5,39.3 cw(c52.5,38.938) 52.756,39.194 cw(c53.012,39.45) v1@52.65,39.45 ; v1(52.5,39.45) 52.95,39 v2(52.95,16.05) ; v2@52.826,16.174 ccw(c52.528,16.472) 52.95,16.472 ccw(c53.372,16.472) v2@53.074,16.174
RAM_D03: U8.C12 U11.58 | length 43.8
  Top Layer w0.15: U11.58@50.575,4.325 50.575,5.75 51.2,6.375 ccw(c51.2,6.525) 51.35,6.525 51.35,6.675 ccw(c51.2,6.675) 51.2,6.825 cw(c51.2,6.975) 51.05,6.975 51.05,7.125 cw(c51.2,7.125) 51.2,7.275 ccw(c51.2,7.425) 51.35,7.425 51.35,7.575 ccw(c51.2,7.575) 51.2,7.725 cw(c51.2,7.875) 51.05,7.875 51.05,8.025 cw(c51.2,8.025) 51.2,8.175 ccw(c51.2,8.325) 51.35,8.325 51.35,8.475 ccw(c51.2,8.475) 51.2,8.625 cw(c51.2,8.775) 51.05,8.775 51.05,8.925 cw(c51.2,8.925) 51.2,9.075 ccw(c51.2,9.225) 51.35,9.225 51.35,9.375 ccw(c51.2,9.375) 51.2,9.525 cw(c51.2,9.675) 51.05,9.675 51.05,9.825 cw(c51.2,9.825) 51.2,9.975 ccw(c51.2,10.125) 51.35,10.125 51.35,10.275 ccw(c51.2,10.275) 51.2,10.425 cw(c51.2,10.575) 51.05,10.575 51.05,10.725 cw(c51.2,10.725) 51.2,10.875 ccw(c51.2,11.025) 51.35,11.025 51.35,11.175 ccw(c51.2,11.175) 51.2,11.325 cw(c51.2,11.475) 51.05,11.475 51.05,11.625 cw(c51.2,11.625) 51.2,11.775 ccw(c51.2,11.925) 51.35,11.925 51.35,12.075 ccw(c51.2,12.075) 51.2,12.225 cw(c51.2,12.375) 51.05,12.375 51.05,12.525 cw(c51.2,12.525) 51.2,12.675 ccw(c51.2,12.825) 51.35,12.825 51.35,12.975 ccw(c51.2,12.975) 51.2,13.125 cw(c51.2,13.275) 51.05,13.275 51.05,13.425 cw(c51.2,13.425) 51.2,13.575 ccw(c51.2,13.725) 51.35,13.725 51.35,13.875 ccw(c51.2,13.875) 51.2,14.025 cw(c51.2,14.175) 51.05,14.175 51.05,14.325 cw(c51.2,14.325) 51.2,14.475 ccw(c51.2,14.625) 51.35,14.625 51.35,14.775 ccw(c51.2,14.775) 51.2,14.925 v2(51.2,16) ; v2@51.076,15.876 cw(c50.778,15.578) 51.2,15.578 cw(c51.622,15.578) v2@51.324,15.876 ; v1@52.45,38.35 cw(c52.45,37.867) 52.791,38.209 ; v1(52.45,38.5) 52.5,38.5 U8.C12@53,38 ; v1@52.537,38.356 cw(c52.228,37.821) U8.C12@52.83,37.96 ; v1@52.6,38.5 ccw(c52.841,38.5) 52.671,38.329 ; 52.753,38.231 cw(c52.67,38.087) U8.C12@52.831,38.045 ; U8.C12@52.825,38 ccw(c52.403,38) 52.701,38.299 ccw(c53,38.597) U8.C12@53,38.175
  MidLayer1 w0.15: v2@51.076,16.124 ccw(c50.778,16.422) 51.2,16.422 ccw(c51.622,16.422) v2@51.324,16.124 ; v2(51.2,16) 51.2,16.675 cw(c51.2,16.825) 51.05,16.825 51.05,16.975 cw(c51.2,16.975) 51.2,17.125 ccw(c51.2,17.275) 51.35,17.275 51.35,17.425 ccw(c51.2,17.425) 51.2,17.575 cw(c51.2,17.725) 51.05,17.725 51.05,17.875 cw(c51.2,17.875) 51.2,18.025 ccw(c51.2,18.175) 51.35,18.175 51.35,18.325 ccw(c51.2,18.325) 51.2,18.475 cw(c51.2,18.625) 51.05,18.625 51.05,18.775 cw(c51.2,18.775) 51.2,18.925 ccw(c51.2,19.075) 51.35,19.075 51.35,19.225 ccw(c51.2,19.225) 51.2,19.375 51.2,35.95 51.8,36.55 51.8,37.85 v1(52.45,38.5) ; v1@52.3,38.5 cw(c51.938,38.5) 52.194,38.244 cw(c52.45,37.988) v1@52.45,38.35
RAM_D04: U8.D14 U11.57 | length 43.3
  Top Layer w0.15: U11.57@49.925,4.325 49.925,5.9 50.55,6.525 ccw(c50.55,6.675) 50.7,6.675 50.7,6.825 ccw(c50.55,6.825) 50.55,6.975 cw(c50.55,7.125) 50.4,7.125 50.4,7.275 cw(c50.55,7.275) 50.55,7.425 ccw(c50.55,7.575) 50.7,7.575 50.7,7.725 ccw(c50.55,7.725) 50.55,7.875 cw(c50.55,8.025) 50.4,8.025 50.4,8.175 cw(c50.55,8.175) 50.55,8.325 ccw(c50.55,8.475) 50.7,8.475 50.7,8.625 ccw(c50.55,8.625) 50.55,8.775 cw(c50.55,8.925) 50.4,8.925 50.4,9.075 cw(c50.55,9.075) 50.55,9.225 ccw(c50.55,9.375) 50.7,9.375 50.7,9.525 ccw(c50.55,9.525) 50.55,9.675 cw(c50.55,9.825) 50.4,9.825 50.4,9.975 cw(c50.55,9.975) 50.55,10.125 ccw(c50.55,10.275) 50.7,10.275 50.7,10.425 ccw(c50.55,10.425) 50.55,10.575 cw(c50.55,10.725) 50.4,10.725 50.4,10.875 cw(c50.55,10.875) 50.55,11.025 ccw(c50.55,11.175) 50.7,11.175 50.7,11.325 ccw(c50.55,11.325) 50.55,11.475 cw(c50.55,11.625) 50.4,11.625 50.4,11.775 cw(c50.55,11.775) 50.55,11.925 ccw(c50.55,12.075) 50.7,12.075 50.7,12.225 ccw(c50.55,12.225) 50.55,12.375 cw(c50.55,12.525) 50.4,12.525 50.4,12.675 cw(c50.55,12.675) 50.55,12.825 ccw(c50.55,12.975) 50.7,12.975 50.7,13.125 ccw(c50.55,13.125) 50.55,13.275 cw(c50.55,13.425) 50.4,13.425 50.4,13.575 cw(c50.55,13.575) 50.55,13.725 ccw(c50.55,13.875) 50.7,13.875 50.7,14.025 ccw(c50.55,14.025) 50.55,14.175 cw(c50.55,14.325) 50.4,14.325 50.4,14.475 cw(c50.55,14.475) 50.55,14.625 ccw(c50.55,14.775) 50.7,14.775 50.7,14.925 ccw(c50.55,14.925) 50.55,15.075 v2(50.55,15.95) ; v2@50.426,15.826 cw(c50.128,15.528) 50.55,15.528 cw(c50.972,15.528) v2@50.674,15.826 ; U8.D14@51,39 v1(51.5,39.5) ; U8.D14@51,39.175 ccw(c51,39.597) 51.299,39.299 ccw(c51.597,39) U8.D14@51.175,39 ; v1@51.35,39.5 cw(c50.988,39.5) 51.244,39.244 cw(c51.5,38.988) v1@51.5,39.35
  MidLayer1 w0.15: v2@50.426,16.074 ccw(c50.128,16.372) 50.55,16.372 ccw(c50.972,16.372) v2@50.674,16.074 ; v2(50.55,15.95) 50.55,36.05 51.55,37.05 51.55,37.954 51.95,38.354 51.95,39.05 v1(51.5,39.5) ; v1@51.5,39.35 cw(c51.5,38.988) 51.756,39.244 cw(c52.012,39.5) v1@51.65,39.5